# Allegro board pc065a_toplevel_45_8layers.brd (continued)
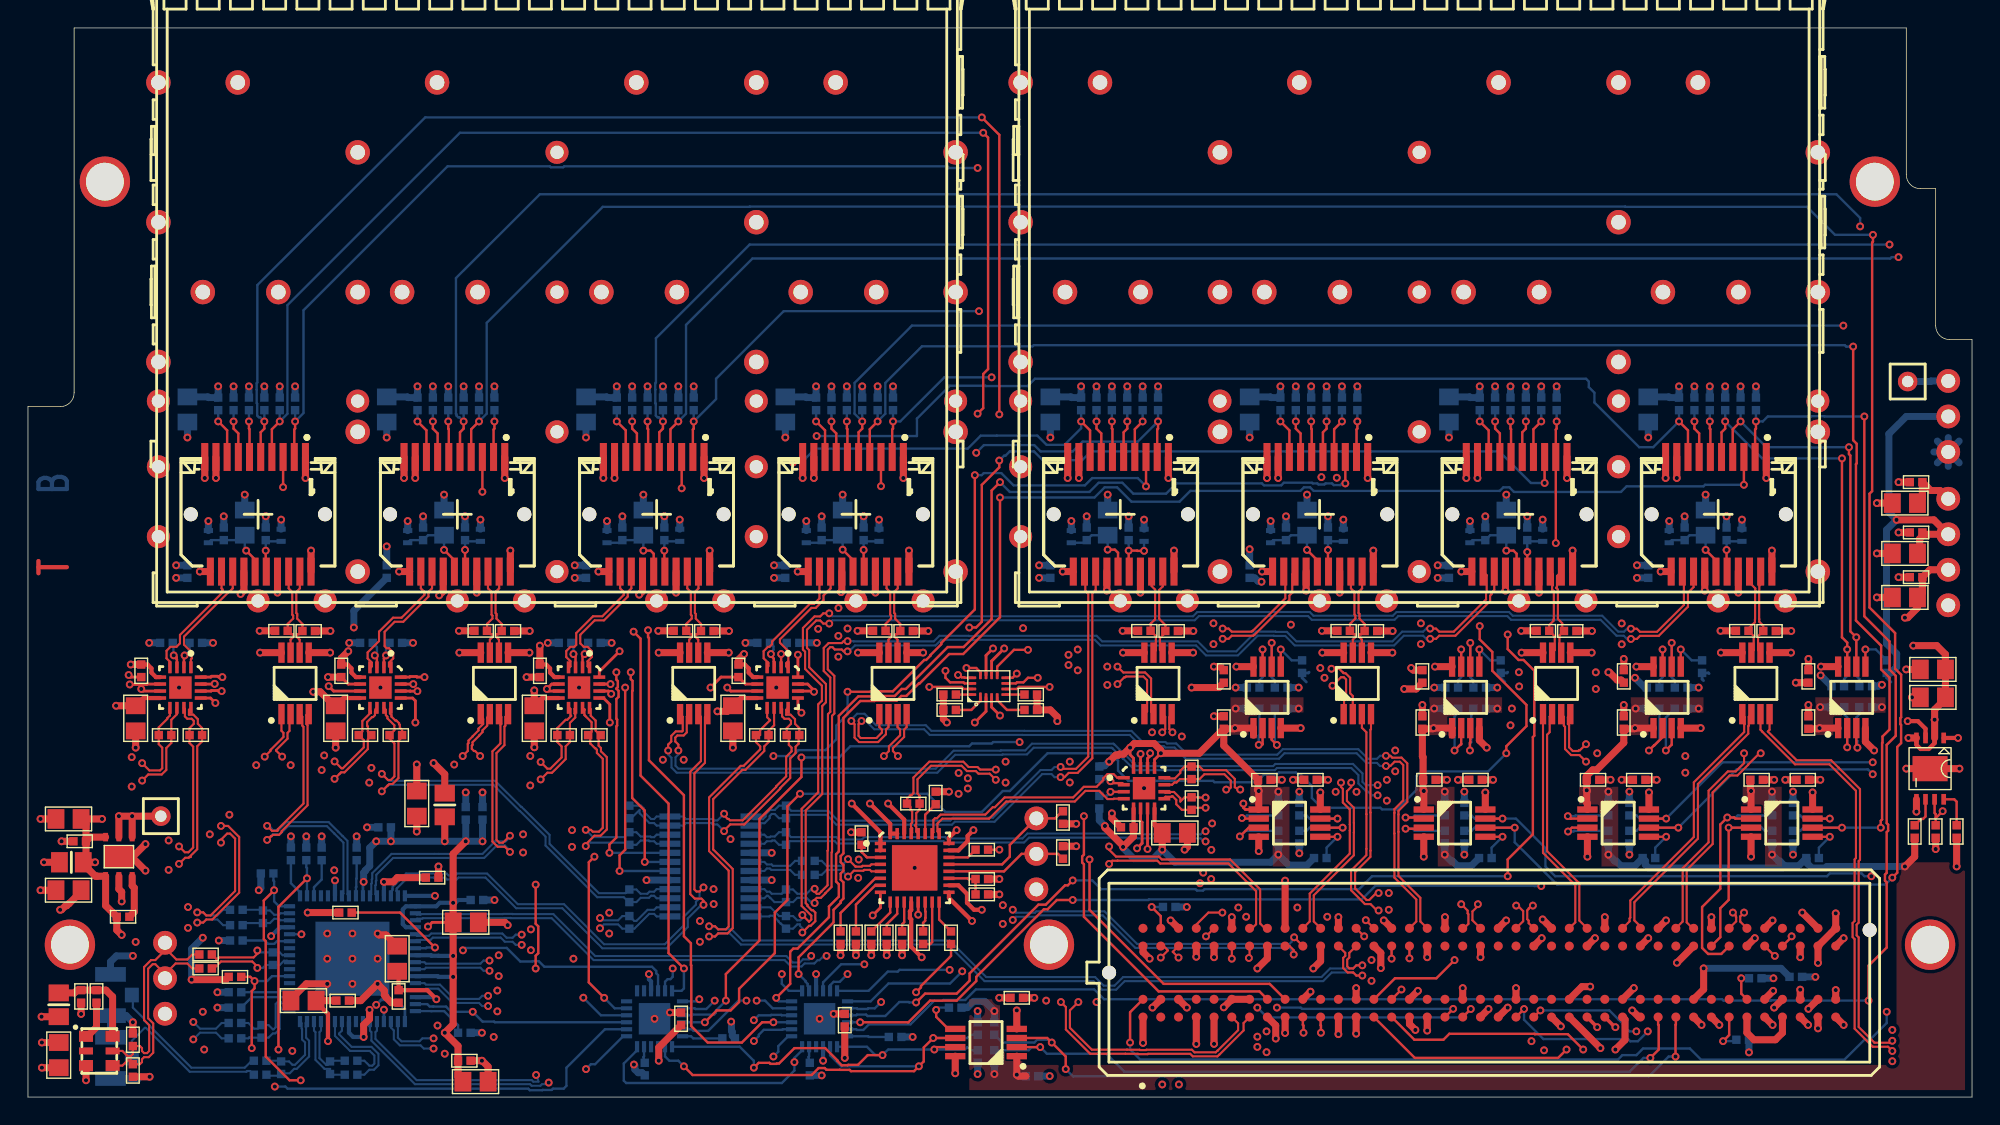
[diagram p0: board, top side]
## Routing (per net, layer and track width the routed paths; a pad name or vN(x,y) marks a point on that pad's centre or on a via; arc(x,y) is an arc through that point) (continued)
P1V3: length 43.8
  TOP w0.3: U11.2 136.32,25.33 135.9,24.9 135.33,24.9 135.03,25.2 U11.4 ; C99.2 136.32,27.83
  TOP w0.5: U11.2 v1(136.32,27) 136.32,27.73 137.1,28.5 C99.2 C100.2 137.1,31.68 136.48,32.3 v1(134.8,32.3) ; R124.2 v1(83.32,33.35) ; R108.2 v1(111.82,33.35) ; R99.2 v1(121.02,33.36) ; R107.2 v1(106.77,33.36) ; R51.2 v1(64.37,33.35) ; R115.2 v1(92.52,33.36) ; R100.2 v1(126.07,33.35) ; U11.4 v1(134.45,25.7) ; J40.2 135.98,37.73 C36.2 135.45,36.1 C37.2 135.1,35 134.4,34.3 v1(134.2,34.3) ; R116.2 v1(97.57,33.35) ; R35.2 v1(35.87,33.35) ; R123.2 v1(78.27,33.36) ; R42.2 v1(45.07,33.36) ; R34.2 v1(30.82,33.36) ; R23.2 v1(21.62,33.35) ; R50.2 v1(59.32,33.36) ; R22.2 v1(16.57,33.36) ; R43.2 v1(50.12,33.35)
  L5_PWR w0.5: J40.2 138.08,38.51 ; J40.2 136.52,36.95 ; J40.2 137.3,38.76 ; J40.2 136.27,37.73 ; J40.2 137.3,36.7 ; J40.2 138.08,36.95 ; J40.2 136.52,38.51
P1V8A: length 27.5
  TOP w0.3: v1(29.2,7) 28.55,7.65 C18.2 26.5,8.62 26.4,8.72 C16.2 ; v1(21.45,4) 21.45,5.95 20.6,6.8 C19.2
  TOP w0.5: v1(7.45,20.1) TP1.1 ; v1(7.45,20.1) v1(6.5,20.1) U2.5 ; v1(7.45,20.1) U2.4 ; C20.2 C19.2
  L5_PWR w0.5: 9.5,19.22 TP1.1 ; TP1.1 8.83,20.77 ; TP1.1 8.62,20.1 ; TP1.1 10.17,20.77 ; TP1.1 9.5,20.98 ; TP1.1 10.17,19.43 ; TP1.1 8.83,19.43 ; TP1.1 10.38,20.1
  BOTTOM w0.3: v1(29.1,14.4) IC3.32 ; IC3.60 v1(21.45,4) ; v1(29.2,7) 29.05,7.15 IC3.46
P2V5: length 204.8
  TOP w0.2: IC4.13 13.05,28.55 v1(13.4,28.2) ; v1(69.5,27.3) 68.9,27.9 IC21.3 ; IC5.13 27.5,28.55 27.7,28.35 v1(27.7,26.8) ; IC7.13 55.05,27.75 v1(55.3,27.5) ; IC13.13 80.55,24.15 v1(81,24.6) ; IC6.13 41.15,28.55 41.6,28.1 v1(41.6,26.8) ; v1(13.9,30.05) 13.63,30.05 13.57,30.11 13.13,30.11 13.07,30.05 IC4.16 ; IC7.16 v1(55.05,31.65) ; IC6.16 40.85,30.45 v1(42.3,31.9) ; 88,20.58 87.05,20.58 86.9,20.72 v1(86.9,21) ; v1(78.8,25) 78.8,24.49 79.05,24.24 IC13.16 ; IC5.16 27.29,30.05 27.33,30.09 27.77,30.09 27.81,30.05 v1(28.35,30.05)
  TOP w0.3: IC5.5 23.45,30.05 23.13,30.37 23.13,30.67 22.85,30.95 C104.2 ; C107.2 36.75,28.55 IC6.8 ; C105.2 22.55,28.55 IC5.8 ; IC4.5 9.15,30.05 8.83,30.37 8.83,30.67 8.55,30.95 C102.2 ; C109.2 50.95,28.55 IC7.8 ; IC13.8 80.55,19.45 C111.2 ; C103.2 8.25,28.55 IC4.8 ; C108.2 51.25,30.95 51.53,30.67 51.53,30.37 51.85,30.05 IC7.5 ; IC6.5 37.65,30.05 37.33,30.37 37.33,30.67 37.05,30.95 C106.2 ; IC13.5 C110.2
  TOP w0.5: 101.83,25.9 IC18.1 v1(100.5,26.4) 100.45,26.35 C91.2 99.7,24.38 99.75,24.33 C83.2 99.75,21.95 v1(99.8,21.9) 99.8,20.58 ; v1(51.2,31.7) 50.8,31.3 C108.2 ; C105.2 21.9,28 20.9,29 v1(20.4,29) ; C39.2 135.26,39.06 135.26,39.95 135.58,40.27 ; C109.2 50,27.6 v1(49.29,27.6) ; C106.2 v1(36.6,32.3) ; C87.2 123.15,21.95 v1(123.2,21.9) 123.2,20.58 ; 111.5,20.58 111.5,21.01 111.45,21.06 v1(111.45,21.95) ; C89.2 85.5,25.15 C81.2 87.95,21.95 ; C89.2 86.25,26.35 v1(86.3,26.4) IC17.1 87.62,25.9 ; C89.2 83.75,24.6 v1(81,24.6) 81,24.82 80.52,25.3 79.1,25.3 v1(78.8,25) 78.34,24.54 78.04,24.54 77.96,24.46 77.77,24.46 v1(77.3,24) ; v1(134.2,16.5) 134.9,17.2 R183.1 ; C111.2 v1(81.1,17.7) ; v1(77,19.4) 77,19.27 78.3,17.97 v1(78.3,17.9) 79.05,18.65 C110.2 ; C102.2 v1(7.35,30.95) ; 111.5,21.9 v1(111.45,21.95) ; v1(111.45,21.95) C85.2 111.45,22.98 111.88,23.41 112.16,23.41 114.1,25.35 C93.2 114.85,26.35 v1(114.9,26.4) 116.22,26.4 ; C104.2 22.4,31.4 v1(22.9,31.9) ; IC11.1 v1(70.7,1.6) 70.8,1.5 C79.2 ; C95.2 128.05,26.35 v1(128.1,26.4) 129.43,26.4 ; C107.2 v1(36.2,29.1) ; 88,20.58 v1(88,21.9) 87.95,21.95 ; 135.58,40.27 J40.3 136.27,41.3 v1(133.6,41.3) ; 135.58,40.27 C38.2 ; 87.9,22 87.95,21.95 ; C103.2 v1(6.3,28)
  BOTTOM w0.2: 105.6,29.7 105.3,30 R163.1 105.75,30.35 105.8,30.4 ; 119.8,29.8 119.7,29.9 R168.1 120.15,30.35 120.2,30.3 ; 91.6,30.4 91.55,30.35 R158.1 91.1,30 91.4,29.7 ; 133.2,29.7 132.9,30 R173.1
  BOTTOM w0.5: R147.2 v1(113,21.85) ; J39.2 134.3,48.7 133.06,47.46 133.06,41.84 v1(133.6,41.3) 132.89,40.59 132.89,32.44 133.61,31.72 133.61,30.78 133.18,30.35 R173.1 ; R138.1 91.45,16.6 90.15,16.6 v1(89.4,17.35) ; v1(134.2,16.5) 128.63,16.5 128.52,16.39 127.55,16.39 127.2,16.74 127.2,17.05 R153.1 126.6,16.55 125.59,16.55 ; R62.1 v1(27.53,32.5) ; v1(89.4,17.35) R136.2 ; v1(89.4,17.35) 88.85,16.8 82,16.8 v1(81.1,17.7) 80.46,17.06 79.06,17.06 78.3,17.82 v1(78.3,17.9) ; R137.2 v1(89.4,21.85) ; R58.1 v1(13.23,32.5) ; R71.1 v1(51.3,32.5) ; R166.2 v1(119.45,27.8) ; R70.1 v1(56.4,32.5) ; R96.1 76.6,19.8 v1(77,19.4) ; R131.2 v1(69.1,6.15) 68.41,6.84 67.61,6.84 67.17,6.4 R133.1 ; R171.2 v1(132.56,27.9) ; R162.2 v1(100.55,27.8) ; 125.59,16.55 125.43,16.39 115.88,16.39 115.64,16.63 115.64,16.91 R148.1 114.9,16.55 113.89,16.55 113.56,16.88 113.46,16.88 v1(113,17.35) R146.2 ; 125.59,16.55 125.26,16.88 125.16,16.88 v1(124.7,17.35) R151.2 ; v1(77.3,24) 77.28,24 76.98,23.7 76.66,23.7 R95.1 ; R66.1 v1(41.73,32.5) ; R152.2 v1(124.7,21.85) ; R63.1 v1(22.97,32.5) ; R142.2 v1(101.3,21.85) ; R59.1 v1(8.67,32.5) ; R172.2 v1(128.15,27.9) ; R143.1 103.2,16.55 102.19,16.55 101.86,16.88 101.76,16.88 v1(101.3,17.35) R141.2 ; R132.2 v1(69.1,1.65) ; C79.2 70.8,1.5 v1(70.7,1.6) ; R156.2 v1(90.85,27.8) ; R161.2 v1(105.05,27.8) ; R167.2 v1(114.95,27.8) ; R67.1 v1(37.17,32.5) ; R157.2 v1(86.35,27.8)
P3V3: length 190.3
  TOP w0.2: IC21.2 68.5,27.6 v1(67.7,26.8)
  TOP w0.3: IC9.31 IC9.32 61.65,19.55 v1(60.2,21) ; IC9.2 IC9.1 60.95,18.95 v1(58.9,21) ; IC9.24 65.85,18.55 v1(66.4,19.1) ; v1(63.9,10) 63.15,10.75 63.15,12.72 63.06,12.81 63.06,13.29 63.15,13.38 IC9.12 ; IC9.18 66.53,15.15 67.14,14.54 67.14,13.9 67.64,13.4 v1(68.2,13.4) ; U11.1 v1(138,25.7)
  TOP w0.5: C96.2 v1(126.4,29.65) ; C92.2 99.25,29.2 v1(98.4,29.2) ; 116.22,30.8 v1(115,30.8) ; C82.2 v1(90.45,22.7) ; C86.2 v1(113.95,22.7) ; 129.25,7 v1(129.25,7.66) ; 126.72,7 v1(126.72,7.69) ; 115.9,20.58 v1(115.9,21.8) ; U9.8 v1(92.55,31.8) ; U11.5 v1(135.03,20.42) ; C2.2 135.45,42.85 C1.2 136.05,43.4 136.71,43.4 J40.4 ; IC18.8 v1(100.6,30.8) ; C97.2 v1(58.4,2.8) ; R182.1 v1(136.4,17.75) ; R93.2 v1(74.95,19.55) ; v1(45.1,2.6) 45.1,3.55 C98.2 ; C90.2 85.15,29.3 v1(83.2,29.3) ; v1(29,23.9) 29.8,23.1 L2.1 ; 129.43,30.8 v1(128.2,30.8) ; R94.2 v1(74.95,17.95) ; J10.C39 v1(127.98,4.92) ; 124.17,7 v1(124.78,7.6) ; U10.8 v1(78.3,31.8) ; C94.2 113.91,29.84 113.63,29.84 113.07,30.4 v1(113,30.4) ; C4.2 v1(0.9,14.8) ; C6.2 v1(1,3.9) ; 92.4,20.58 v1(92.4,21.8) ; L3.1 v1(0.97,5.75) ; U6.8 v1(59.35,31.8) ; IC11.8 v1(66.3,1.7) ; R178.2 R176.2 73.1,27.7 73.6,27.2 v1(73.6,26.9) ; R84.1 v1(61.4,10.15) ; C80.2 v1(69.45,7.1) ; U4.8 v1(30.85,31.8) ; 127.6,20.58 v1(127.6,21.8) ; L1.1 v1(1.15,16.8) ; C3.2 v1(27.8,23.8) ; R82.1 v1(69.45,15.6) ; U8.8 v1(106.8,31.8) ; U5.8 v1(45.1,31.8) ; 104.2,20.58 v1(104.2,21.8) ; C84.2 v1(102.25,22.7) ; U7.8 v1(121.05,31.8) ; IC17.8 v1(86.4,30.8) ; C88.2 v1(125.65,22.7) ; 18.12,31.8 v1(16.6,31.8)
  L7_PWR w0.5: J40.4 138.08,43.59 ; J40.4 137.3,43.84 ; J40.4 138.08,42.03 ; J40.4 136.52,42.03 ; J40.4 136.52,43.59 ; J40.4 136.27,42.81 ; J40.4 137.3,41.78
  BOTTOM w0.3: IC23.21 45.05,2.65 v1(45.1,2.6) ; IC10.21 v1(56.85,2.6)
  BOTTOM w0.5: v1(42.1,50.85) R45.1 41.42,50.05 41.37,50.1 C46.2 ; 27.15,40.54 v1(27.15,41.22) ; R154.2 v1(126.2,17.35) ; R54.2 v1(58.55,50.85) ; C65.2 103.07,50.1 103.12,50.05 R110.1 v1(103.8,50.85) ; v1(132.56,29.5) 132.4,29.5 132.3,29.4 R174.2 ; R128.2 v1(78.6,50.85) ; R112.2 v1(107.1,50.85) ; R49.2 v1(43.2,50.85) ; L14.1 v1(108.3,41.32) ; R127.2 v1(77.5,50.85) ; 55.65,40.54 v1(55.65,41.22) ; v1(50.28,5.4) 50.3,5.37 50.3,4.73 50.36,4.67 50.36,4.39 R180.1 ; IC8.20 v1(53.17,15.53) ; R145.2 v1(102.7,21.85) ; R120.2 v1(92.85,50.85) ; v1(23.3,33.6) 23.3,34.8 C40.2 ; R101.1 v1(123.55,50.85) ; L16.1 v1(94.05,41.32) ; R48.2 v1(46.5,50.85) ; v1(88.2,36.87) 88.16,36.91 87.95,36.91 87.71,37.15 C69.2 ; R114.2 v1(104.9,50.85) ; R105.2 v1(122.45,50.85) ; R149.2 v1(114.5,17.35) ; R165.2 v1(100.55,29.3) ; R47.2 v1(45.4,50.85) ; v1(27.85,50.85) R37.1 27.17,50.05 27.12,50.1 C41.2 ; R175.2 v1(128.18,30.17) ; R40.2 v1(32.25,50.85) ; C75.2 74.57,50.1 74.62,50.05 R126.1 v1(75.3,50.85) ; R38.2 v1(30.05,50.85) ; v1(89.55,50.85) R118.1 88.87,50.05 88.82,50.1 C70.2 ; R52.1 v1(61.85,50.85) ; R144.2 v1(102.7,17.35) ; R24.1 v1(19.1,50.85) ; 117.35,40.54 v1(117.35,41.22) ; R27.2 v1(16.9,50.85) ; R129.2 v1(79.7,50.85) ; L18.1 v1(79.8,41.32) ; R109.1 v1(109.3,50.85) ; R28.2 v1(18,50.85) ; L12.1 v1(122.55,41.32) ; R117.1 v1(95.05,50.85) ; R36.1 v1(33.35,50.85) ; 41.4,40.54 v1(41.4,41.22) ; C31.2 v1(10.6,37.15) ; R39.2 v1(31.15,50.85) ; C32.2 12.87,50.1 12.92,50.05 R25.1 v1(13.6,50.85) ; R122.2 v1(90.65,50.85) ; R140.2 v1(90.9,21.85) ; v1(118.05,50.85) R102.1 117.37,50.05 117.32,50.1 C60.2 ; v1(114.9,30) 115.6,29.3 R170.2 ; R135.2 v1(67.9,1.65) ; R155.2 v1(126.2,21.85) ; R169.2 v1(119.45,29.3) ; R164.2 v1(105.05,29.3) ; R160.2 v1(86.35,29.3) ; R103.2 v1(120.25,50.85) ; R41.2 v1(28.95,50.85) ; 88.85,40.54 v1(88.85,41.22) ; R159.2 v1(90.85,29.3) ; R119.2 v1(91.75,50.85) ; L8.1 v1(46.6,41.32) ; C64.2 v1(100.8,37.15) ; v1(56.35,50.85) R53.1 55.67,50.05 55.62,50.1 C51.2 ; L10.1 v1(60.85,41.32) ; R125.1 v1(80.8,50.85) ; R121.2 v1(93.95,50.85) ; C74.2 v1(72.3,37.15) ; R134.2 v1(67.9,6.15) ; C59.2 v1(115.05,37.15) ; R26.2 v1(15.8,50.85) ; L6.1 v1(32.35,41.32) ; R29.2 v1(14.7,50.85) ; R44.1 v1(47.6,50.85) ; 12.9,40.54 v1(12.9,41.22) ; R46.2 v1(44.3,50.85) ; R104.2 v1(121.35,50.85) ; 74.6,40.54 v1(74.6,41.22) ; R56.2 v1(60.75,50.85) ; R113.2 v1(108.2,50.85) ; R150.2 v1(114.5,21.85) ; L4.1 v1(18.1,41.32) ; R130.2 v1(76.4,50.85) ; R139.2 v1(90.9,17.44) ; R57.2 v1(57.45,50.85) ; R33.2 v1(127.8,8.6) ; C50.2 v1(53.35,37.15) ; R55.2 v1(59.65,50.85) ; R106.2 v1(119.15,50.85) ; C45.2 v1(39.1,37.15) ; 103.1,40.54 v1(103.1,41.22) ; R111.2 v1(106,50.85) ; IC8.5 v1(44.23,15.53)
P3V3A: length 25.9
  TOP w0.5: U2.6 4.45,18.6 C5.2 ; v1(11.7,8.4) 14.15,8.4 R9.1 ; R6.1 v1(20,13.2) ; L1.2 3.95,16.68 4.82,15.81 4.94,15.81 4.95,15.8 U2.1 5.55,13.7 R2.1 6.35,11.95 v1(6.7,11.6) ; L1.2 v1(4.8,16.8) ; L1.2 4.15,17 C5.2 ; C5.2 4.15,19.55 C8.2 v1(5.3,19.9)
  BOTTOM w0.3: IC3.13 18.02,12.15 v1(17.39,11.51)
  BOTTOM w0.5: v1(16.5,14.8) 16.65,14.95 R7.1 ; v1(12.5,11.4) 11.7,10.6 v1(11.7,8.4) ; R8.1 v1(19.9,18.65)
P3V3B: length 64.2
  TOP w0.2: v1(28.6,12.2) 28.9,12.5 C12.2
  TOP w0.5: C17.2 30.75,1.45 C15.2 30.75,3.65 v1(29.8,4.6) 30.4,5.2 v1(30.4,8.6) v1(30.4,10.1) C12.2 v1(30.4,13.9) 30.4,17.4 v1(31.3,18.3) ; v1(24,4.3) 24,5.16 24.42,5.58 v1(24.42,6.24) ; L2.2 v1(29.8,18.3) ; v1(25.45,15.4) 26.11,15.4 26.41,15.7 C7.2
  BOTTOM w0.2: v1(24,15.4) 23.95,15.35 IC3.26 ; IC3.52 v1(25.45,6.25) ; v1(24.9,6.6) 25.26,6.96 26.29,6.96 26.95,6.3 IC3.49
  BOTTOM w0.3: IC3.36 27.02,12.15 26.8,12.37 26.8,13.43 27.02,13.65 IC3.33 29.19,13.65 29.44,13.9 v1(30.4,13.9) 30.56,13.9 30.76,14.1 C9.2 ; v1(24,4.3) 23.25,4.3 22.95,4.6 IC3.57 ; v1(30.4,10.1) 29.35,10.1 29.34,10.11 28.86,10.11 28.82,10.15 IC3.40 ; IC3.43 29.29,8.65 29.34,8.6 v1(30.4,8.6) ; IC3.22 v1(21.95,15.5) ; v1(25.45,15.4) IC3.29
  BOTTOM w0.5: v1(31.3,18.3) v1(29.8,18.3) v1(25.95,18.3) ; v1(31.3,18.3) C11.2 ; v1(31.3,18.3) v1(32.5,18.3) C14.2 ; v1(25.95,18.3) v1(24.9,18.3) 24.44,17.84 24.44,16.53 24.13,16.23 24.13,16.19 24,16.06 v1(24,15.4) ; v1(25.95,18.3) C13.2
P3V3C: length 7
  TOP w0.5: L3.2 3.32,7.45 3.52,7.65 C10.2 R3.1 5.58,7.65 6.05,7.18 QZ1.6
P12V: length 5.2
  TOP w0.5: J10.C37 125.44,4.6 124.94,4.1 123.41,4.1 122.91,4.6 J10.C35
3P3VAUX: length 8.9
  TOP w0.5: v1(119.81,9.21) 119.81,7.71 119.09,7
  BOTTOM w0.5: R33.1 125.34,9.21 v1(119.81,9.21)
CDR_CLK_N: length 15.3
  TOP w0.15: IC9.25 65.13,18.87 65.13,18.9 65.03,19.01 65.03,19.57 65.38,19.92 68.72,19.92 69.95,21.15 74.85,21.15 75.61,21.91 76.6,21.91 77.19,21.32 77.61,21.32 77.64,21.35 IC13.4
CDR_CLK_P: length 16.2
  TOP w0.15: IC13.1 77.88,22.85 77.61,23.12 77.19,23.12 76.89,22.81 76.89,22.68 76.41,22.2 75.49,22.2 74.73,21.44 69.83,21.44 69.13,20.74 68.98,20.74 68.45,20.21 65.26,20.21 65,19.95 64.85,19.95 64.74,19.84 64.74,18.94 IC9.26
CDR_D_N: length 49.7
  TOP w0.15: v1(69.2,22.7) 68.76,23.14 67.96,23.14 67.77,23.33 67.14,23.33 66.76,23.7 64.57,23.7 63.6,22.74 63.6,21.71 63.75,21.56 R92.2 63.75,20.56 63.51,20.32 63.51,19.52 63.42,19.43 63.51,19.35 63.51,18.99 IC9.28 ; 87.34,5.73 86.92,5.3 86.92,4.77 85.18,3.03 85.17,3.03 85.05,2.91 83.29,2.91 83.1,3.1 80.08,3.1 80.06,3.07 79.39,3.07 79.37,3.1 78.47,3.1 78.46,3.1 75.94,3.1 74.21,4.83 74.21,6.44 v1(73.85,6.8)
  L6_SIG w0.15: v1(69.2,22.7) 69.2,22.7 69.62,23.12 72.04,23.12 73.39,21.77 73.39,18.14 75.15,16.38 75.15,16.35 75.17,16.32 75.17,16.29 75.68,15.78 75.68,9.12 74.27,7.71 74.27,7.21 v1(73.85,6.8)
CDR_D_P: length 49.7
  TOP w0.15: IC9.29 63.22,18.92 63.22,19.23 63.13,19.31 63.13,19.55 63.22,19.64 63.22,20.44 63.1,20.56 63.1,20.75 R92.1 62.85,21.35 63.09,21.59 63.09,21.59 63.16,21.59 63.31,21.74 63.31,22.86 64.45,24 66.88,24 67.26,23.62 67.89,23.62 68.08,23.43 v1(69.2,23.43) ; v1(75.1,6.8) 74.5,6.2 74.5,4.95 76.06,3.39 78.58,3.39 78.59,3.39 79.49,3.39 79.51,3.36 79.94,3.36 79.96,3.39 83.22,3.39 83.41,3.2 84.93,3.2 85.05,3.32 85.06,3.32 86.52,4.78 86.52,5.28 86.08,5.73
  L6_SIG w0.15: v1(69.2,23.43) 72.17,23.43 73.7,21.9 73.7,18.27 75.46,16.51 75.46,16.48 75.48,16.45 75.48,16.42 75.99,15.91 75.99,8.99 74.6,7.6 74.6,7.3 v1(75.1,6.8)
CDR_IN_N: length 5.3
  TOP w0.15: v1(58.63,15.78) 59.05,16.2 59.73,16.2 59.79,16.26 60.2,16.26 60.3,16.15 IC9.5
  BOTTOM w0.15: C55.2 56.75,15.9 57.11,16.26 58.16,16.26 v1(58.63,15.78)
CDR_IN_P: length 5.3
  TOP w0.15: IC9.4 60.3,16.65 60.2,16.55 59.67,16.55 59.61,16.48 59.19,16.48 59.17,16.51 59.15,16.51 v1(58.63,17.02)
  BOTTOM w0.15: v1(58.63,17.02) 58.16,16.55 57.11,16.55 56.75,16.9 C56.2
CDR_LOL: length 32.2
  TOP w0.17: R91.2 66,10.1 63.85,7.95 63.85,7.85 v1(63.5,7.5)
  L3_SIG w0.17: v1(39.71,7.11) 40.23,7.62 53.72,7.62 53.74,7.6 62.91,7.6 63.01,7.5 v1(63.5,7.5)
  BOTTOM w0.17: v1(39.71,7.11) 40.97,5.85 IC23.4
CDR_LOS: length 42.9
  TOP w0.17: R89.1 v1(69.45,17.7) ; v1(41.2,7.1) 40.1,8.2 40.1,16.8 v1(40.5,17.2)
  L3_SIG w0.17: v1(40.5,17.2) 41.3,18 49.95,18 50.02,17.93 50.45,17.93 50.56,18.05 69.11,18.05 v1(69.45,17.7)
  BOTTOM w0.17: v1(41.2,7.1) 41.95,6.35 IC23.5
CLK_IN_N<0>: length 11.6
  BOTTOM w0.15: C22.2 16,2.6 15.5,2.1 11.69,2.1 8.3,5.49 8.3,5.6 7.5,6.4 7.5,7.23 PX2.1
CLK_IN_N<1>: length 89.4
  TOP w0.15: 87.34,10.8 87.34,10 v1(87.3,9.95)
  L3_SIG w0.15: v1(11.82,5.37) 12.23,4.96 12.27,4.96 12.31,4.91 19.91,4.91 20.51,5.51 26.37,5.51 26.67,5.81 28.81,5.81 28.94,5.94 29.63,5.94 29.76,5.81 31.23,5.81 31.58,5.46 31.96,5.46 32.01,5.51 32.09,5.51 32.13,5.55 33.18,5.55 33.51,5.22 44.38,5.22 44.77,4.83 52.33,4.83 52.36,4.81 52.96,4.81 53.29,4.49 53.5,4.49 53.57,4.42 59.64,4.42 60.07,4.85 60.11,4.85 60.51,5.25 60.57,5.25 60.6,5.28 63.82,5.28 64.05,5.05 65.39,5.05 65.74,4.7 72.13,4.7 72.26,4.83 72.94,4.83 73.04,4.73 79.14,4.73 79.17,4.7 83.13,4.7 83.19,4.76 83.88,4.76 83.94,4.7 85.4,4.7 85.99,4.11 87.26,4.11 87.47,4.32 v1(87.9,4.32)
  L6_SIG w0.15: v1(87.3,9.95) 86.82,9.47 86.82,4.26 86.97,4.11 87.26,4.11 87.47,4.32 v1(87.9,4.32)
  BOTTOM w0.15: C24.2 13.85,5.3 13.44,4.9 12.3,4.9 v1(11.82,5.37)
CLK_IN_N<2>: length 87.7
  TOP w0.15: v1(13.8,18.21) 13.8,18.41 14.24,18.85 14.45,18.85 14.81,18.49 14.81,14.74 13.06,13 12.75,13 12.53,13.21 v1(12.1,13.21) ; IC13.9 81.25,21.41 81.33,21.49 81.77,21.49 81.82,21.54 82.1,21.26 82.1,20.95 82.5,20.55 R98.1 83.35,20.7 v1(84.2,20.7)
  L3_SIG w0.15: v1(84.2,20.7) 83.72,20.7 83.52,20.9 72.71,20.9 72.51,21.1 71.69,21.1 71.14,20.55 62.25,20.55 61.85,20.15 54.05,20.15 53.39,20.81 49.55,20.81 48.85,20.11 24.51,20.11 24.49,20.14 17.05,20.14 15.64,18.73 13.95,18.73 13.8,18.58 v1(13.8,18.21)
  BOTTOM w0.15: C26.2 13.95,13.4 13.54,13 12.75,13 12.53,13.21 v1(12.1,13.21)
CLK_IN_N<3>: length 7
  BOTTOM w0.15: C28.2 24.05,1.6 24.41,1.96 24.74,1.96 25.06,2.27 25.06,3.09 24.56,3.59 23.15,3.59 22.24,4.5 22.24,4.54 22.45,4.75 IC3.58
CLK_IN_P<0>: length 11.8
  BOTTOM w0.15: C21.2 15.89,1.86 15.67,1.86 15.62,1.81 11.57,1.81 8.42,4.95 8.35,4.95 7.42,4.03 PX1.1
CLK_IN_P<1>: length 89.9
  TOP w0.15: v1(86.08,9.9) 86.08,10.8
  L3_SIG w0.15: v1(87.9,3.59) 87.47,3.59 87.26,3.8 85.86,3.8 85.27,4.39 83.81,4.39 83.75,4.45 83.32,4.45 83.26,4.39 79.04,4.39 79.01,4.42 72.99,4.42 72.96,4.39 72.94,4.39 72.81,4.52 72.39,4.52 72.26,4.39 65.61,4.39 65.26,4.74 63.92,4.74 63.69,4.97 60.73,4.97 60.7,4.94 60.64,4.94 60.24,4.54 60.2,4.54 59.77,4.11 53.44,4.11 53.37,4.18 53.16,4.18 52.83,4.5 52.23,4.5 52.2,4.53 44.64,4.53 44.25,4.91 38.77,4.91 38.72,4.86 33.43,4.86 33.05,5.24 32.26,5.24 32.22,5.2 32.14,5.2 32.09,5.15 31.45,5.15 31.1,5.5 29.63,5.5 29.5,5.63 29.07,5.63 28.94,5.5 26.8,5.5 26.5,5.2 20.64,5.2 20.04,4.6 12.29,4.6 v1(11.82,4.13)
  L6_SIG w0.15: v1(86.08,9.9) 86.51,9.47 86.51,4.13 86.84,3.8 87.26,3.8 87.47,3.59 v1(87.9,3.59)
  BOTTOM w0.15: C23.2 13.85,4.2 13.44,4.61 12.3,4.61 v1(11.82,4.13)
CLK_IN_P<2>: length 88.1
  TOP w0.15: IC13.10 81.32,21.78 81.65,21.78 81.7,21.83 81.94,21.83 82.39,21.38 82.39,21.14 82.7,21.45 R98.2 83.7,21.45 83.72,21.43 v1(84.2,21.43) ; v1(13.8,19.4) 14.31,19.4 15.1,18.61 15.1,14.62 13.18,12.71 12.75,12.71 12.53,12.48 v1(12.1,12.48)
  L3_SIG w0.15: v1(84.2,21.43) 83.72,21.43 83.5,21.21 72.87,21.21 72.65,21.44 72.55,21.44 72.53,21.46 71.79,21.46 71.74,21.41 71.56,21.41 71.01,20.86 62.12,20.86 61.72,20.46 54.18,20.46 53.52,21.12 49.42,21.12 48.72,20.42 24.64,20.42 24.61,20.45 16.92,20.45 15.51,19.04 13.95,19.04 13.8,19.19 v1(13.8,19.4)
  BOTTOM w0.15: v1(12.1,12.48) 12.53,12.48 12.75,12.71 13.54,12.71 13.95,12.3 C25.2
CLK_IN_P<3>: length 6.4
  BOTTOM w0.15: IC3.59 21.95,4.38 23.03,3.3 24.44,3.3 24.77,2.97 24.77,2.39 24.62,2.25 24.41,2.25 24.05,2.6 C27.2
CLK_INTR_B: length 40.4
  L6_SIG w0.17: v1(17.65,0.75) 19.55,2.65 v1(19.55,11.65)
  BOTTOM w0.17: v1(17.65,0.75) 18.41,0.75 18.56,0.6 35.77,0.6 35.88,0.49 36.77,0.49 36.79,0.51 37.45,0.51 37.54,0.6 38.3,0.6 38.5,0.8 38.5,2.1 41.25,4.85 IC23.2 ; IC3.12 v1(19.55,11.65)
CLK_LOL_B: length 15.6
  BOTTOM w0.17: IC23.3 33.38,5.35 33.33,5.4 32.5,5.4 v1(31.8,6.1) 30.27,6.1 29.89,6.48 28.98,6.48 28.98,6.48 28.72,6.48 28.55,6.65 IC3.47
CLK_MAIN_N<0>: length 20.8
  TOP w0.15: v1(17.1,18.4) 17.36,18.66 17.41,18.66 17.51,18.76 17.94,18.76 18.14,18.96 18.14,19.03 19.99,20.88 19.99,26.61 19.91,26.7 19.91,27.32 19.98,27.4 U3.4
  BOTTOM w0.15: IC3.23 22.45,14.45 22.55,14.56 22.55,18.21 22.37,18.39 21.38,19.39 18.6,19.39 18.01,18.8 17.5,18.8 v1(17.1,18.4)
CLK_MAIN_N<1>: length 23.3
  TOP w0.15: 34.33,27.4 34.14,27.21 34.14,26.58 34.07,26.51 34.07,25.18 33.5,24.61 33.5,18.4 33.7,18.2 33.96,18.2 v1(34.46,18.7)
  BOTTOM w0.15: IC3.27 24.55,14.5 24.55,15.26 24.59,15.3 24.59,15.58 24.61,15.61 24.61,16.03 25.99,17.4 29.04,17.4 29.39,17.4 32.5,17.4 33.39,18.29 34.15,18.29 34.3,18.44 34.3,18.54 v1(34.46,18.7)
CLK_MAIN_N<2>: length 41.7
  TOP w0.15: v1(48.3,15) 48.01,14.71 47.8,14.71 47.65,14.86 47.65,23.16 48.41,23.92 48.41,27.18 48.58,27.35 U5.4
  BOTTOM w0.15: v1(48.3,15) 48.02,14.72 48.02,14.24 47.76,13.98 47.76,13.77 46.88,12.9 46.88,12.29 45.54,10.94 41.19,10.94 38.32,13.8 35.02,13.8 32.83,15.99 30.66,15.99 30.52,15.86 30.08,15.86 29.95,15.98 29.14,15.98 29.13,15.99 27.03,15.99 26.27,15.23 26.27,15.23 26.07,15.03 26.07,14.9 26.07,14.9 26.07,14.8 25.95,14.69 IC3.30
CLK_MAIN_N<3>: length 55.3
  TOP w0.15: U6.4 62.83,26.47 62.65,26.29 62.65,25.77 61.84,24.97 61.84,24.76 v1(62.2,24.4)
  L6_SIG w0.15: v1(56,10.1) 56.5,10.6 56.5,12.42 56.82,12.74 56.82,24.26 58.77,26.21 60.89,26.21 61.81,25.29 61.81,24.79 v1(62.2,24.4)
  BOTTOM w0.15: v1(56,10.1) 56,10 55.85,9.85 55.41,9.85 55.19,9.63 54.68,9.63 54.22,10.09 40.56,10.09 37.56,13.09 34.65,13.09 34.63,13.11 33.97,13.11 33.95,13.09 28.11,13.09 28.08,13.05 27.8,13.05 IC3.34
CLK_MAIN_N<4>: length 72
  TOP w0.15: v1(81.83,26.1) 81.61,26.33 81.61,27.18 81.78,27.35 81.78,27.4
  L3_SIG w0.15: v1(35.3,11.62) 35.58,11.62 35.72,11.48 38.65,11.48 39.54,10.6 47.82,10.6 47.83,10.59 48.26,10.59 48.26,10.6 55.2,10.6 56.15,11.55 70.34,11.55 72.03,13.25 72.05,13.25 72.2,13.4 76.63,13.4 79.13,15.9 83.64,15.9 83.75,16.02 83.99,16.02 v1(84.03,16.06)
  L6_SIG w0.15: v1(84.03,16.06) 83.69,16.4 83.68,16.4 83.5,16.57 83.5,17.33 83.53,17.36 83.53,18.04 83.5,18.07 83.5,22.7 81.83,24.38 81.83,24.94 81.62,25.15 81.62,25.46 81.83,25.67 v1(81.83,26.1)
  BOTTOM w0.15: IC3.37 27.82,11.54 28.66,11.54 28.83,11.7 33.92,11.7 34.22,11.4 34.65,11.4 34.87,11.62 v1(35.3,11.62)
CLK_MAIN_N<5>: length 87.8
  TOP w0.15: U9.4 96.03,26.33 95.98,26.29 95.98,20.36 95.99,20.36 95.99,17.64 95.98,17.64 95.98,17.19 94.89,16.09 94.89,14.92 95.71,14.1 95.9,14.1 96.4,14.6 v1(96.57,14.6)
  L3_SIG w0.15: v1(96.57,14.6) 96.2,14.6 95.71,14.11 95.66,14.11 91.57,10.03 91.56,10.03 89.5,7.97 68.25,7.97 67.77,8.46 59.56,8.46 59.35,8.26 35.84,8.26 34.6,9.5 33.55,9.5 33.28,9.77 v1(33,9.77)
  BOTTOM w0.15: v1(33,9.77) 32.57,9.77 32.35,9.54 28.45,9.54 28.35,9.65 IC3.41
CLK_MAIN_N<6>: length 111.1
  TOP w0.15: v1(111.4,25.25) 110.96,24.81 110.89,24.81 110.84,24.76 110.45,24.76 110.19,25.02 110.19,26.61 110.11,26.7 110.11,27.18 110.28,27.35 110.28,27.4
  L3_SIG w0.15: v1(107.5,4) 107.5,3.52 107.35,3.37 107.14,3.37 105.03,5.47 100.49,5.47 100.39,5.58 99.7,5.58 99.64,5.52 99.54,5.62 98.86,5.62 98.71,5.47 92.81,5.47 92.4,5.89 83.65,5.89 83.2,5.44 73.2,5.44 73.2,5.45 65.87,5.45 65.65,5.67 65.53,5.67 65.48,5.72 64.72,5.72 64.24,6.21 60.66,6.21 60.31,6.56 59.58,6.56 59.37,6.76 57.95,6.76 57.94,6.78 57.26,6.78 57.25,6.76 55.96,6.76 55.57,6.37 50.43,6.37 50.42,6.36 47.77,6.36 47.75,6.34 47.19,6.34 46.79,6.75 46.79,6.79 46.59,6.98 46.52,6.98 46.49,6.96 41.82,6.96 41.42,6.56 38.84,6.56 38.44,6.96 33.46,6.96 33.18,7.24 v1(32.9,7.24)
  L6_SIG w0.15: v1(107.5,4) 107.99,4 108.09,4.1 108.09,4.55 108.22,4.69 108.22,4.85 109.1,5.73 109.1,23.22 110.59,24.71 110.86,24.71 v1(111.4,25.25)
  BOTTOM w0.15: v1(32.9,7.24) 32.47,7.24 32.25,7.02 30.48,7.02 29.45,8.04 28.45,8.04 28.35,8.15 IC3.44
CLK_MAIN_N<7>: length 140
  TOP w0.15: v1(133.3,4.03) 133.14,3.87 133.12,3.89 132.02,3.89 130.9,5.01 130.9,11.42 130.75,11.57 130.75,12.33 130.9,12.48 130.9,16.89 130.99,16.98 130.99,22.04 129.48,23.54 129.48,23.55 129.48,23.56 129.47,23.56 128.93,24.1 126.46,24.1 124.4,26.16 124.53,26.29 U7.4
  L3_SIG w0.15: v1(29,4.2) 29.19,4.01 31.73,4.01 31.98,3.76 45.58,3.76 45.78,3.56 51.63,3.56 51.69,3.5 52.12,3.5 52.18,3.56 52.79,3.56 52.96,3.73 60.06,3.73 60.26,3.92 62.9,3.92 63.04,3.79 63.55,3.79 64.53,2.81 65.77,2.81 65.96,3 71.94,3 72.11,2.83 74.54,2.83 74.81,2.56 87.04,2.56 87.44,2.16 110.11,2.16 110.16,2.21 130.27,2.21 131.97,3.91 133.19,3.91 v1(133.3,4.03)
  BOTTOM w0.15: v1(29,4.2) 28.2,4.2 27.99,3.99 26.71,3.99 26.45,4.25 IC3.50
CLK_MAIN_N<8>: length 72.3
  TOP w0.15: v1(82.27,9.98) 81.85,10.39 82.27,10.8
  L3_SIG w0.15: v1(82.29,0.9) 82.29,0.91 81.54,1.67 81.41,1.67 81.23,1.85 79.01,1.85 78.19,1.04 74.31,1.04 74.24,0.96 73.81,0.96 73.79,0.99 72.84,0.99 72.79,1.04 38.12,1.04 37.63,1.52 37.48,1.52 37.45,1.55 37.04,1.55 37.03,1.55 36.36,1.55 v1(36.33,1.58)
  L6_SIG w0.15: v1(82.29,0.9) 81.88,1.31 81.88,9.68 82.18,9.98 v1(82.27,9.98)
  BOTTOM w0.15: v1(36.33,1.58) 36.39,1.55 36.5,1.1 36.13,1.1 36.02,1.21 27.79,1.21 24.84,4.16 24.84,4.65 24.95,4.75 IC3.53
CLK_MAIN_P<0>: length 20.8
  TOP w0.15: U3.3 19.61,27.21 19.61,26.58 19.7,26.49 19.7,21 17.85,19.15 17.85,19.08 17.82,19.05 17.45,19.05 v1(17.1,19.4)
  BOTTOM w0.15: v1(17.1,19.4) 17.24,19.4 17.38,19.26 17.38,19.24 17.53,19.09 17.89,19.09 18.48,19.68 21.5,19.68 22.18,18.99 22.84,18.33 22.84,14.51 IC3.24
CLK_MAIN_P<1>: length 23.3
  TOP w0.15: v1(34.46,17.54) 34.09,17.91 34.08,17.91 33.58,17.91 33.21,18.28 33.21,24.73 33.78,25.3 33.78,26.63 33.84,26.7 33.84,27.2 33.67,27.37 U4.3
  BOTTOM w0.15: IC3.28 24.84,14.52 24.84,15.14 24.88,15.18 24.88,15.46 24.91,15.49 24.91,15.91 26.11,17.11 29.04,17.11 29.39,17.11 32.62,17.11 33.51,18 34.1,18 34.46,17.64 v1(34.46,17.54)
CLK_MAIN_P<2>: length 41.4
  TOP w0.15: 47.92,27.4 48.12,27.21 48.12,24.04 47.36,23.28 47.36,14.52 47.68,14.2 48.15,14.2 48.3,14.05 v1(48.3,13.75)
  BOTTOM w0.15: v1(48.3,13.75) 48.15,13.75 47.17,12.78 47.17,12.16 45.66,10.65 41.07,10.65 38.2,13.51 34.9,13.51 32.71,15.7 30.78,15.7 30.64,15.57 29.96,15.57 29.83,15.7 29.02,15.7 29.01,15.7 27.15,15.7 26.39,14.94 26.39,14.94 26.36,14.91 26.36,14.78 26.36,14.78 26.36,14.72 26.45,14.63 IC3.31
CLK_MAIN_P<3>: length 55.4
  TOP w0.15: U6.3 62.17,26.47 62.35,26.29 62.35,25.89 61.55,25.09 61.55,24.76 v1(61.2,24.4)
  L6_SIG w0.15: v1(57.1,10.1) 56.81,10.39 56.81,12.29 57.13,12.61 57.13,24.13 58.9,25.9 60.76,25.9 61.5,25.16 61.5,24.7 v1(61.2,24.4)
  BOTTOM w0.15: IC3.35 27.82,12.77 28.2,12.77 28.23,12.8 34.07,12.8 34.09,12.82 34.51,12.82 34.53,12.8 37.44,12.8 40.44,9.8 54.1,9.8 54.56,9.34 55.31,9.34 55.53,9.56 56.22,9.56 56.45,9.79 56.59,9.79 56.9,10.1 v1(57.1,10.1)
CLK_MAIN_P<4>: length 72.6
  TOP w0.15: v1(81.1,26.1) 81.31,26.31 81.31,27.21 U10.3
  L3_SIG w0.15: v1(35.3,10.89) 35.58,10.89 35.87,11.18 38.52,11.18 39.41,10.29 47.69,10.29 47.7,10.28 48.38,10.28 48.39,10.29 55.33,10.29 56.28,11.24 70.47,11.24 72.16,12.94 72.17,12.94 72.33,13.09 76.76,13.09 79.26,15.59 83.51,15.59 v1(83.8,15.3)